# KiCad board ardumower mega shield svn.kicad_pcb (continued)
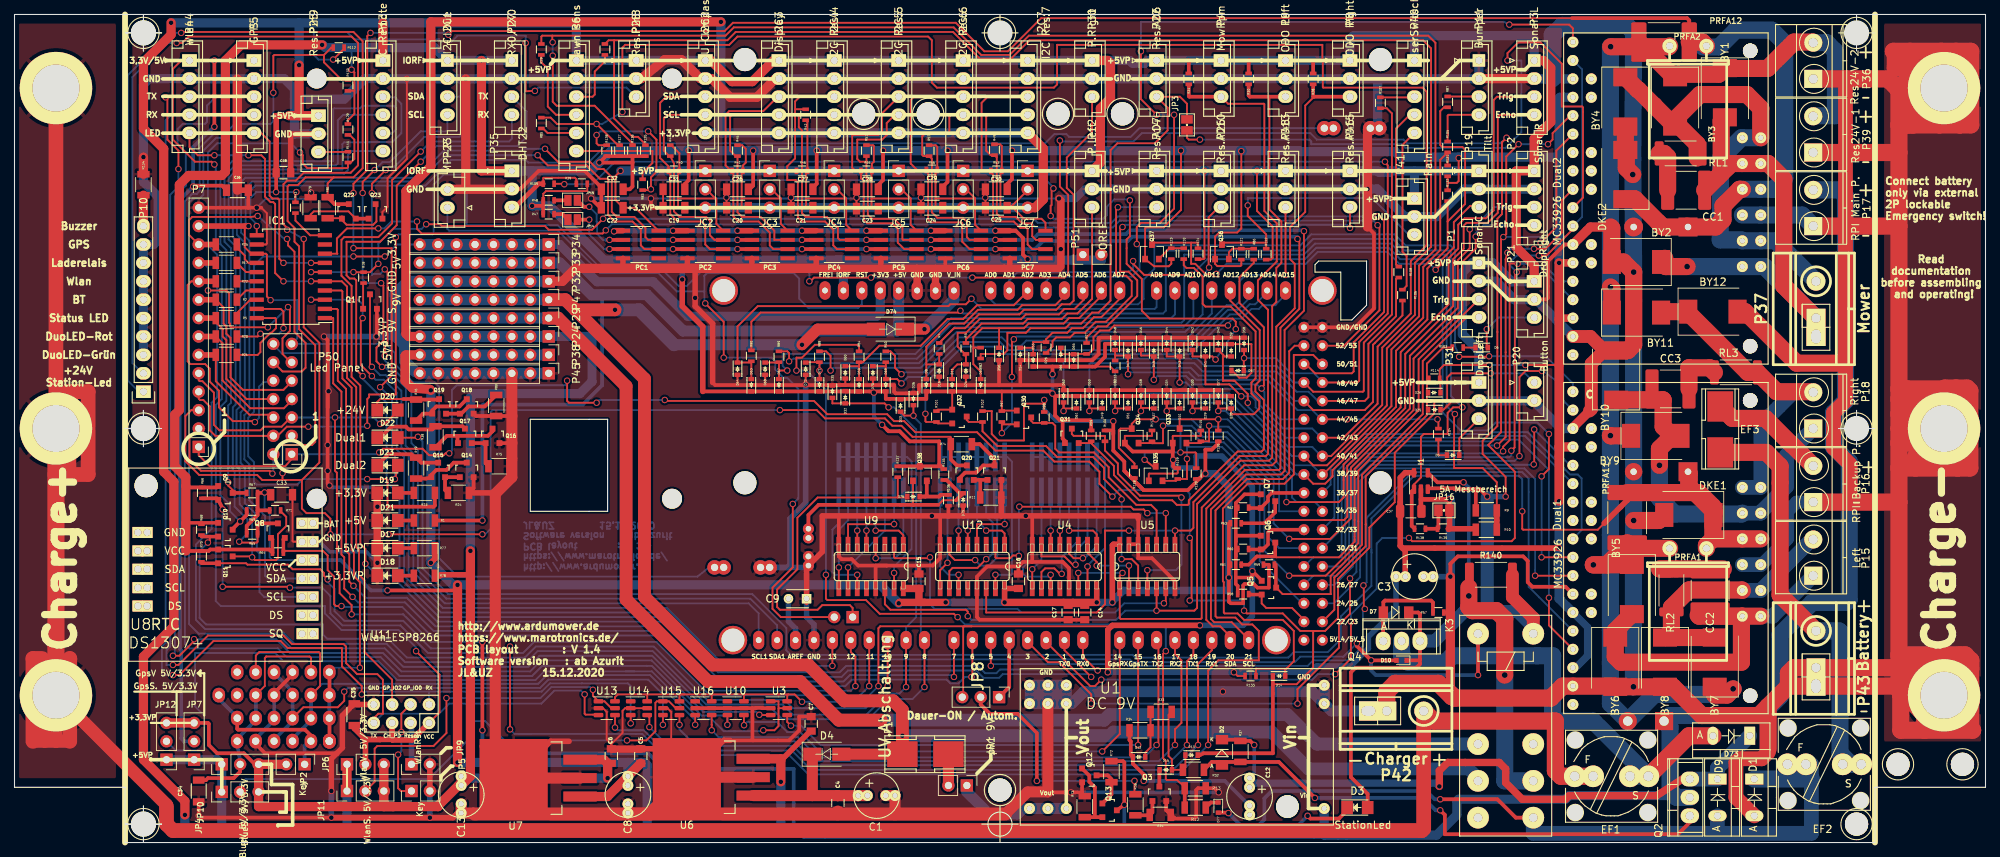
[diagram p0: board, top side]
## Routing (per net, layer and track width the routed paths; a pad name or vN(x,y) marks a point on that pad's centre or on a via; arc(x,y) is an arc through that point) (continued)
/Anschlußstecker/5V_IN_5: length 58.9
  Top w0.254: P19.3 201.76,87.88 200.72,87.88 198.47,85.63 198.47,82.14 196.66,80.33 196.66,79.76 v1(195.96,79.06) ; Q37.3 157.12,82.8 162.24,82.8 ; 162.24,82.8 162.24,79.88 162.81,79.88 164.27,78.42 165.67,78.42 v1(165.74,78.49) ; 162.24,82.8 163.2,82.8 R124.2
  Bottom w0.254: v1(195.96,79.06) 195.14,79.88 190.94,79.88 189.29,81.53 179.71,81.53 178.05,79.88 167.13,79.88 v1(165.74,78.49)
/Anschlußstecker/5V_IN_6: length 77.9
  Top w0.254: 209.55,85.09 P2.4 ; 173.86,39.5 173.99,39.37 182.63,39.37 184.79,41.53 184.79,42.21 184.79,44.54 184.79,51.56 192.91,59.69 192.91,66.8 199.64,73.53 199.64,80.14 201.49,81.98 v1(201.49,83.63) ; 169.35,38.35 170.18,38.35
  Top w0.48: 173.86,39.5 171.32,39.5 170.18,38.35 R61.2 ; 173.85,39.51 Q6.3
  Bottom w0.254: v1(201.49,83.63) 201.49,84.14 202.56,85.22 204.15,85.22 204.15,85.21 P2.4
/Anschlußstecker/5V_IN_7: length 103.5
  Top w0.254: Q33.3 160.66,58.42 v1(165.99,58.42) R116.2 ; 209.55,102.87 209.3,102.87 ; v1(175.39,46.99) 182.63,46.99 183.26,47.62 183.26,50.04 183.26,52.19 191.14,60.06 191.14,67.69 197.74,74.3 197.74,80.64 199.07,81.98 199.07,85.28 199.96,86.17 202.88,86.17 203.96,87.25 203.96,102.49 204.42,102.95 P3.3
  Bottom w0.254: v1(175.39,46.99) 175.39,50.29 167.26,58.42 v1(165.99,58.42)
/Anschlußstecker/5V_IN_8: length 89.4
  Top w0.254: 208.66,100.33 209.55,100.33 ; P3.4 204.84,100.45 204.53,100.14 204.53,86.93 203.14,85.53 200.22,85.53 199.82,85.14 199.82,81.97 198.37,80.52 198.37,74.04 191.77,67.44 191.77,59.98 183.77,51.98 183.77,44.96 183.32,44.51 172.78,44.51
  Top w0.48: Q7.3 173.85,45.58 172.34,44.07 169.35,44.07
/Anschlußstecker/5V_IN_9: length 95.9
  Top w0.254: v1(155.83,52.83) 156.99,51.93 Q35.3 ; v1(160.78,53.85) 162.81,53.85 162.94,53.72 R120.2 ; P1.3 193.61,66.69 193.61,59.67 185.29,51.35 185.29,44.33 185.29,41.32 180.8,36.83 v1(175.77,36.83)
  Bottom w0.254: v1(175.77,36.83) 172.34,40.26 172.34,49.66 166.75,55.25 163.7,55.25 162.05,56.9 160.78,56.9 v1(160.78,53.85) 155.83,53.85 v1(155.83,52.83)
/Anschlußstecker/5V_IN_10: length 58.8
  Top w0.254: 173.99,35.16 Q5.3 ; Q5.3 173.92,35.23 ; Q5.3 174.86,34.29 181.48,34.29 181.48,36.79 185.8,41.11 185.8,44.12 185.8,50.76 194.18,59.14 194.18,66.46 200.23,72.51 P1.4
  Top w0.48: 173.92,38.35 173.92,35.23
/Anschlußstecker/5V_IN_11: length 108.3
  Top w0.254: 208.79,87.63 209.55,87.63 ; R118.2 154.43,52.32 152.27,54.48 152.27,56.9 152.51,57.13 Q34.3 154.05,57.78 154.69,58.42 v1(157.35,58.42) ; v1(175.77,41.91) 181.44,41.91 184.28,44.75 184.28,51.77 192.4,59.9 192.4,67.18 199.01,73.79 199.01,80.39 200.66,82.04 v1(200.66,84.65)
  Bottom w0.254: v1(200.66,84.65) 200.98,84.96 201.3,84.96 202.44,86.11 202.44,86.14 204.01,87.71 P2.3 ; v1(175.77,41.91) 173.61,44.07 173.61,50.29 167.26,56.64 164.08,56.64 162.31,58.42 v1(157.35,58.42)
GND: length 2676.5
  Top w0.254: 145.1,19.11 U1.1 ; 269.75,24 270.51,23.24 270.51,22.61 270.76,22.35 270.76,18.03 269.49,16.76 269.49,16 ; 66.42,11.3 U7.4 ; U7.4 71.12,11.18 ; U7.4 67.42,10.29 ; U7.4 67.45,10.27 ; 110.11,27.81 SHIELD1.GND3 ; 88.13,13.59 U6.4 ; U6.4 89.03,12.69 ; U6.4 90.42,11.3 ; U6.4 90.55,11.17 90.55,18.03 90.04,18.54 U15.2 ; 98.17,88.92 C26.2 ; 98.17,88.92 C20.2 ; 98.17,88.92 v1(98.17,89.03) ; C27.2 v1(107.06,89.03) C21.2 ; 116.1,88.9 C23.2 ; 116.1,88.9 C28.2 ; 116.1,88.9 v1(116.1,89) ; C24.2 v1(124.99,89.03) C29.2 ; 133.88,88.9 C25.2 ; 133.88,88.9 C30.2 ; 133.88,88.9 133.88,89 v1(133.86,89.03) ; 109.09,63.15 v1(109.09,63.25) D72.2 ; U8.2 38.43,41.53 38.33,41.63 C33.2 ; v1(43.31,62.29) 43.18,62.29 ; 34.04,87.63 34.8,86.87 34.8,82.68 34.67,82.55 IC1.12 ; v1(54.1,105.41) 54.1,94.36 51.44,91.69 51.44,87.76 50.73,87.06 Q23.2 ; v1(40.89,89.73) 40.83,89.66 R79.2 ; D25.2 197.04,59.75 198.29,61 P31.2 ; D70.2 118.36,63.15 ; P31.2 201.93,60.58 ; P31.2 201.93,60.45 ; 122.94,62 123.76,62 ; D68.2 103.5,63.15 ; Dual2.7 214.88,82.3 ; Dual2.7 215.01,82.55 ; Dual2.7 215.14,82.55 ; 76.47,13.97 76.47,14.11 ; D64.2 99.69,63.15 ; U3.2 104.77,18.54 ; D24.2 131.19,63.15 ; D60.2 114.55,63.15 ; 82.3,13.59 83.84,15.14 83.84,18.18 84.2,18.54 U14.2 U14.5 ; 82.3,13.59 C6.2 ; 82.3,13.59 81.66,14.22 81.66,18.03 81.15,18.54 U13.2 81.03,18.54 ; C22.2 80.77,87.63 ; D16.2 127.51,63.15 ; C31.2 C19.2
  Top w0.508: 64.38,13.34 U7.4 ; U5.12 154.94,39.24 156.84,39.24 160.02,36.07 U5.7 ; U5.12 154.94,44.7 ; U5.12 U5.13 ; 140.34,38.73 144.53,38.73 145.42,37.85 145.42,35.03 ; 140.34,38.73 139.06,38.73 138.43,38.1 ; 140.34,38.73 U4.8 140.34,45.09 ; 138.43,38.1 134.11,38.1 132.72,36.7 U12.13 132.72,31.11 133.08,30.75 C17.2 C14.2 ; 138.43,38.1 C16.2 ; 95.25,11.56 U6.4 ; U6.4 92.7,9.15 ; U6.4 97.66,13.98 ; U9.13 118.74,38.23 120.27,38.23 ; 186.56,84.96 187.45,84.07 187.45,73.72 184.85,71.12 SHIELD1.GND5 SHIELD1.GND4 ; v1(186.56,90.21) 186.56,90.17 ; v1(87.76,88.9) 87.76,87.88 88.01,87.63 C19.2 ; 80.77,87.63 v1(79.5,88.9) ; 160.66,62.45 D30.2 ; 160.66,62.45 D34.2 D38.2 D52.2 D50.2 D62.2 144.65,63.05 144.55,63.15 138.68,63.15 ; 160.66,62.45 D27.2 ; 114.55,63.15 96.62,63.15 96.27,63.5 ; 114.55,63.15 121.29,63.15 121.29,62.23 121.51,62 124.46,62 124.71,62.26 124.71,63.15 135.76,63.15 ; 114.55,63.15 112.84,63.15 ; 135.76,63.15 138.68,63.15 ; 135.76,63.15 D56.2 ; 138.68,63.15 D54.2 D66.2 148.63,66.59 149.48,67.44 149.48,69.59 149.58,69.68 D48.2 D46.2 D44.2 D42.2 D40.2 D58.2 ; 147.19,8.31 147.21,8.32 147.21,6.92 ; 159.51,3.81 159.89,3.43 159.89,3.3 162.69,3.3 162.94,3.56 162.94,7.24 163.2,7.49 R13.2 ; U12.8 127.64,39.24 126.62,38.23 124.71,38.23 ; U12.8 127.64,40.26 ; U12.8 127.64,45.09 ; 124.71,38.23 120.27,38.23 ; 124.71,38.23 C15.2 ; v1(166.05,6.92) 165.48,7.49 R13.2 ; R13.2 164.26,7.95 ; R24.2 63.31,48.9 Q14.2 ; 68.58,52.96 68.25,52.63 R75.2 ; Q18.2 63.63,58.88 R80.2 68.58,58.88 ; R35.2 158.81,4.44 Q3.2 ; 47.24,19.05 47.22,19.03 C35.2 ; R73.2 147.21,6.77 147.21,6.92 ; 147.21,6.92 v1(145.67,6.92) 142.56,6.92 142.49,6.99 ; 120.27,38.23 116.33,38.23 115.44,39.12 114.05,39.12 113.66,39.5 113.66,45.09 ; C34.2 v1(25.4,3.68) 25.65,3.43 v1(43.69,3.43) ; 44.45,12.32 34.54,12.32 33.27,13.59 33.27,14.1 ; U2.GND 38.33,23.16 35.79,20.62 U2.GND ; v1(49.91,69.85) 49.97,69.91 Q1.2 ; v1(50.04,46.36) 50.02,46.36 ; v1(42.67,69.85) 43.18,69.34 43.18,60.07 ; v1(50.04,38.61) 50.02,38.61 ; 32.23,87.63 v1(33.4,87.63) 34.04,87.63 ; 32.23,87.63 C36.2 ; 32.23,87.63 P7.14 ; v1(43.31,62.29) 43.18,62.17 43.18,60.07 ; 43.18,60.07 v1(43.18,54.86) v1(43.18,51.31) 43.18,49.53 v1(43.43,49.28) ; C7.2 108.2,17.38 108.2,15.49 106.81,14.1 101.85,14.1 ; Dual1.7 215.01,34.29 ; Dual1.7 214.76,34.29 ; Dual1.7 213.87,35.31 209.3,35.31 208.66,35.94 208.66,38.86 208.03,39.5 199.01,39.5 197.99,38.48 v1(197.99,36.7) ; Q14.2 63.31,50.35 ; Q14.2 63.31,50.36 ; 98.68,14.1 101.85,14.1 ; 101.85,14.1 101.75,14.2 101.75,18.52 101.73,18.54 ; D75.2 130.81,45.09 ; Dual2.7 213.74,82.55 211.46,80.26 211.46,75.18 211.24,74.97 P21.2 ; 101.73,18.54 102.16,18.54 102.2,18.59 103.12,18.59 103.16,18.54 U3.2 ; 101.73,18.54 U10.5 U10.2 U16.5 U16.2 ; R11.2 136.07,50.05 ; P35.2 69.76,90.21 72.27,92.72 78.61,92.72 80.92,90.41 C32.2 C22.2 80.93,87.62 ; 128.35,80.64 128.35,79.25 ; C9.1 109.22,33.02 ; Q16.2 68.58,55.13 ; 80.93,79.25 80.92,79.25 ; R136.2 128.78,45.09 ; 197.99,31.75 R57.2 ; U15.2 89.92,18.54
  Top w0.635: C37.2 193.93,45.8 193.93,47.37 ; 193.93,47.37 v1(197.87,47.37) JP16.2 ; 193.93,47.37 I1.2
  Top w0.762: 64.51,13.21 U7.4 ; U7.4 73.91,13.97 76.47,13.97 ; U7.4 68.83,8.9 ; U6.4 97.78,14.1 98.68,14.1 ; U6.4 90.29,11.43 ; U6.4 88.78,12.94 C5.2 ; 84.07,79.25 83.9,79.25 83.9,80.64 ; 41.87,97.79 38.1,97.79 38.08,97.77 C18.2 ; 41.12,41.63 41.02,41.53 ; 154.94,44.7 154.94,45.09 v1(139.45,45.09) 136.07,45.09 ; v1(43.69,3.43) v1(57.28,3.43) 60.45,3.43 60.96,3.94 63.37,3.94 ; U11.GND 47.24,19.05 ; 66.29,48.13 66.17,48.26 R24.2 ; 136.07,45.09 v1(126.49,45.09) 111.38,45.09 111.38,40.13 C2.2 109.22,37.97 C9.1 ; 136.07,45.09 R11.2 ; 136.07,50.05 Q21.2 ; 93.85,79.25 v1(93.85,75.18) 93.85,74.04 96.27,71.63 96.27,63.5 ; C36.2 30.73,90.04 ; R10.2 201.37,43.31 R139.2 197.87,43.45 JP16.2 ; v1(43.69,7.11) 43.69,11.56 45.21,13.08 45.21,17.53 46.84,19.15 C35.2 ; JP9.2 JP5.2 ; 92.79,80.64 92.79,79.25 ; 110.57,80.64 110.57,79.25 ; 101.68,80.64 101.68,79.25 ; U8.2 U8.2 ; 137.24,80.64 137.24,79.25 ; 119.46,80.64 119.46,79.25
  Top w1.016: 110.57,79.25 124.46,79.25 ; 127,79.25 136.4,79.25 ; 127,79.25 124.46,79.25 ; 127,79.25 SHIELD1.GND2 ; 137.24,79.25 136.4,79.25 ; 136.4,79.25 144.02,79.25 144.27,79.5 v1(144.27,81.91) 144.27,88.65 v1(144.02,88.9) ; 124.46,79.25 SHIELD1.GND1 ; 50.02,36.34 D18.1 D17.1 D21.1 D19.1 ; C5.2 86.31,12.89 82.34,12.89 C6.2
  Top w1.27: 110.57,79.25 87.38,79.25 ; 62.23,90.17 59.69,90.17 ; 62.23,90.17 68.58,90.17 ; 62.23,90.17 v1(62.23,105.41) ; 264.41,25.91 262.64,24.13 260.1,24.13 ; B14.1 268.22,22.48 268.22,25.91 ; 269.75,15.75 270,15.49 ; 87.38,79.25 84.07,79.25 ; 87.38,79.25 82.17,79.25 ; 217.18,59.57 214.88,57.28 Dual1.16 ; I2C3.2 104.9,105.41 102.36,102.87 98.68,102.87 96.1,105.45 I2C2.2 94.58,105.45 91.95,108.08 89.66,108.08 86.4,105.45 P28.2 86.45,105.45 ; 186.56,84.96 186.56,98.43 186.69,98.55 ; 41.87,97.79 P25.2 ; 30.73,90.04 v1(30.73,105.41) ; 197.99,20.57 v1(197.99,36.7) ; 66.54,6.6 U7.4 ; 82.17,79.25 80.92,79.25 ; 82.17,79.25 77.34,79.25 75.56,77.47 P32.1 ; 81.79,3.94 81.91,4.06 C8.2 C8.2 ; R134.2 v1(17.78,94.62) ; 220.09,80.29 BY2.2 ; P11.2 P3.2 ; C4.2 113.54,3.94 ; Dual2.7 217.3,84.96 220.08,84.96
  Top w1.524: 70.1,8.89 U7.4 ; U7.4 66.29,11.42 66.29,48.13 68.58,50.42 P45.3 ; U7.4 68.83,9.91 ; U7.4 U7.2 ; 136.65,3.94 139.7,6.99 142.49,6.99 U1.1 142.5,19.17 ; 63.37,3.94 63.25,4.06 C13.2 C13.2 ; C1.2 C1.2 121.41,3.94 ; U6.2 U6.4 91.57,9.02
  Top w1.778: U6.4 87.62,3.94 84.84,3.94 ; 136.65,3.94 84.84,3.94 ; 63.37,3.94 84.84,3.94 ; Dual2.2 217.3,69.85 219.23,67.92 217.42,66.11 217.42,59.82 217.18,59.57
  Top w2.032: D1.2 237.36,6.22 237.36,11.05 237.87,11.56 240.92,11.56 241.81,12.45 241.81,12.95 ; 269.75,24 269.75,15.75 ; 252.48,105.41 252.48,60.96 250.82,59.31 250.82,54.48 253.11,52.2 253.11,46.99
  Top w2.358: 259.33,21.59 259.84,22.1 259.84,24.13 ; 259.33,21.59 260.6,20.32 B14.1 ; 259.33,21.59 P43.1 ; 259.84,24.13 259.84,25.91 ; 259.84,24.13 259.33,24.13 ; 259.84,103.89 260.1,104.14 B12.1 ; 259.84,103.89 259.72,104.01 ; 259.84,103.89 259.84,99.06 ; B12.1 265.94,104.01 259.72,104.01 ; B12.1 260.99,99.06 261.81,99.06 ; B12.1 267.72,105.79 267.72,109.22 ; B12.1 268.22,101.98 268.22,99.06 ; B12.1 265.43,103.5 265.43,99.06 ; B12.1 263.27,106.93 259.33,106.93 259.33,108.97 259.08,109.22 261.37,109.22 ; B12.1 265.68,104.52 265.68,109.22 ; B12.1 266.06,101.22 268.22,99.06 ; 259.84,95.25 259.84,99.06 ; 259.84,95.25 P39.1 ; 259.84,95.25 259.84,85.09 ; 259.84,99.06 260.86,99.06 ; 259.72,104.01 258.32,105.41 P36.1 ; 259.72,104.01 261.81,101.92 261.81,99.06 ; 259.72,104.01 261.37,105.66 261.37,109.22 ; 259.84,46.99 259.84,51.69 ; 259.84,46.99 259.84,25.91 ; 259.84,46.99 P16.1 ; 259.84,51.69 259.84,55.12 ; 259.84,51.69 262.13,51.69 ; 259.84,57.15 259.84,59.18 ; 259.84,57.15 259.84,55.12 ; 259.84,57.15 B13.1 ; 259.84,59.18 259.84,61.21 ; 259.84,59.18 264.03,59.18 B13.1 ; 259.84,25.91 266.06,25.91 ; 266.06,62.61 266.19,62.74 267.72,62.74 ; 266.06,62.61 260.99,62.61 ; 266.06,62.61 B13.1 ; 259.84,62.61 259.84,85.09 ; 259.84,62.61 260.99,62.61 ; 259.84,62.61 259.84,61.21 ; 259.84,85.09 P17.1 ; 259.84,55.12 264.03,55.12 B13.1 ; 265.68,51.69 262.13,51.69 ; 265.68,51.69 266.06,51.69 B13.1 ; 265.68,51.69 267.97,51.69 ; 262.13,51.69 262.13,53.21 B13.1 ; 267.72,62.74 269.24,62.74 269.62,62.36 269.62,51.69 267.97,51.69 ; 267.72,62.74 267.72,58.8 B13.1 ; B13.1 267.97,55.25 267.97,51.69 ; B13.1 262,61.21 259.84,61.21 ; B13.1 266.06,57.53 260.99,62.61 ; 259.33,24.13 260.1,24.13 ; 259.33,24.13 P43.1 ; B14.1 262.25,24.13 260.1,24.13 ; B14.1 269.75,24 269.75,25.15 ; B14.1 264.03,22.35 260.1,22.35 ; B14.1 263.4,17.65 ; 269.75,25.15 268.99,25.91 266.06,25.91 ; 269.75,25.15 269.75,15.75 ; 260.1,24.13 260.1,22.35 ; 263.4,15.49 260.1,15.49 260.1,20.32 ; 263.4,15.49 270,15.49 266.06,19.43 266.06,25.91 ; 263.4,15.49 263.4,17.65 ; 260.1,22.35 260.1,20.32 ; 260.1,20.32 260.73,20.32 263.4,17.65 ; 267.72,109.22 269.75,109.22 269.75,99.06 268.22,99.06 ; 267.72,109.22 265.68,109.22 ; 260.86,99.06 265.43,99.06 ; 260.86,99.06 261.81,99.06 ; 265.43,99.06 268.22,99.06 ; 265.68,109.22 261.37,109.22 ; 198.44,20.13 198.63,19.94 211.84,19.94 213.49,21.59 Dual1.2 220.63,21.59 BY6.2 v2(223.24,21.49) BY8.2 228.7,21.49 232.66,17.53 240.54,17.53 241.81,18.8 ; 198.44,20.13 197.99,20.57 ; 198.44,20.13 198.18,20.13 196.34,21.97 190.37,21.97 189.23,20.83 P42.1 ; 244.6,21.59 P43.1 ; 244.6,21.59 241.81,18.8 ; 244.6,21.59 244.6,23.37 245.36,24.13 P43.1 ; P43.1 P43.1 ; 241.81,18.8 241.81,12.95 ; 252.48,66.17 245.75,66.17 238.63,73.28 BY12.2 ; v2(223.14,92.2) 222.25,93.09 222.25,95.6 ; v2(223.27,44.45) 226.72,44.45 DKE1.2 ; 219.23,67.92 BY10.2 222.48,67.92 223.27,68.71 v2(223.27,78.74) 221.87,80.14 BY2.2 220.25,84.8 220.08,84.96 ; DKE2.2 BY4.2
  Bottom w0.254: v1(98.17,89.03) 98.15,89 98.15,88.92 ; 98.15,88.92 107.04,88.9 ; 98.15,88.92 96.65,88.9 v1(87.76,88.9) ; 107.04,88.9 107.04,89 v1(107.06,89.03) ; 107.04,88.9 116.08,88.9 ; 116.08,88.9 116.08,88.98 v1(116.1,89) ; 116.08,88.9 124.97,88.9 ; 124.97,88.9 124.97,89 v1(124.99,89.03) ; 124.97,88.9 133.86,88.9 ; 133.86,88.9 v1(133.86,89.03) ; 133.86,88.9 v1(144.02,88.9) ; v1(43.31,62.29) 43.43,62.42 43.43,66.8 42.67,67.56 36.83,67.56 35.69,68.71 P50.14 35.69,68.77 ; v1(40.89,89.73) 40,88.84 34.61,88.84 v1(33.4,87.63)
  Bottom w0.508: v1(79.5,88.9) v1(87.76,88.9) ; 33.27,14.35 35.81,16.89 35.81,20.45 ; v1(50.04,38.61) 48.51,40.13 43.43,40.13 42.04,41.53 U8.2 ; v1(50.04,46.36) 50.04,48.39 49.4,49.02 43.81,49.02 43.56,49.28 v1(43.43,49.28) ; SHIELD1.GND5 181.1,71.12 ; v1(145.67,6.92) v1(166.05,6.92) ; Dual2.16 214.88,105.66
  Bottom w0.762: SHIELD1.GND3 110.24,30.1 109.22,31.11 C9.1 ; v1(43.69,7.11) v1(43.69,3.43) ; v1(42.67,69.85) v1(49.91,69.85) ; SP2.1 106.55,37.97 106.93,38.35 106.93,44.7 109.09,46.86 v1(109.09,63.25) ; SP2.1 109.22,37.97 C2.2 C2.2 ; SP2.1 SP2.1 ; JP5.2 v1(57.28,3.43) ; v1(197.99,36.7) C3.2 C3.2
  Bottom w1.016: P12.2 147.61,90.21 146.3,88.9 v1(144.02,88.9) ; v1(49.91,69.85) 52.45,69.85 ; 39.52,41.53 41.02,41.53
  Bottom w1.27: 157.48,90.17 166.37,90.17 ; 201.93,60.96 209.55,60.96 ; P44.2 18.58,105.45 17.78,104.65 v1(17.78,94.62) 17.78,91.19 19.81,89.15 19.81,83.19 19.18,82.55 P10.9 P10.8 P10.7 P10.6 P10.5 P10.4 P10.3 ; 24.13,105.41 v1(30.73,105.41) 33.02,105.41 ; P25.2 38.65,97.83 38.61,97.79 38.61,102.62 ; 187.96,105.45 P40.2 ; 187.96,105.45 187.96,98.56 187.95,98.55 186.69,98.55 ; 187.96,105.45 P8.2 ; 38.61,102.62 45.47,102.62 48.3,105.45 P13.2 ; 38.61,102.62 38.61,104.01 37.17,105.45 P5.2 ; P19.2 199.94,90.21 196.13,86.4 P41.2 191.73,86.4 187.92,90.21 v1(186.56,90.21) P46.2 P48.2 P26.2 ; 50.8,105.41 v1(54.1,105.41) v1(62.23,105.41) 85.72,105.41 ; P9.2 P4.2 ; U1.1 U1.1 ; Dual1.16 213.23,57.15 209.55,60.83 P20.2 ; 201.93,90.17 209.55,90.17 ; I2C7.2 I2C6.2 I2C5.2 ; 167.26,105.41 139.7,105.41 ; 201.93,77.47 204.28,77.47 206.82,74.93 209.8,74.93 Dual2.2 ; 121.92,105.41 105.41,105.41 ; v1(197.87,47.37) 197.99,47.24 v1(197.99,36.7) ; 193.04,105.41 201.93,105.41 P11.1 ; 214.88,105.54 Dual2.16 209.55,105.41 ; 175.26,105.41 184.15,105.41 ; P14.2 P12.2
  Bottom w1.524: 240.8,86.61 Dual2.21 ; U1.4 181.61,18.16 P42.1 P42.1 ; U1.4 178.94,20.83 v1(166.62,20.83) 147.45,20.83 145.8,19.18 U1.1 ; U1.4 U1.4 ; P32.1 P32.2 P32.3 P32.4 P32.5 P32.6 P32.7 P32.8 54.23,77.47 52.45,75.69 52.45,69.85 52.58,69.85 53.78,68.64 53.78,66.48 55.27,64.99 P45.8 P45.7 P45.6 P45.5 P45.4 P45.3 P45.2 P45.1 ; U1.1 U1.1 U1.1 ; U1.1 U1.1 ; U1.1 U1.1 ; U1.1 U1.1 ; U1.1 U1.1 ; U1.1 U1.1 ; U1.1 U1.1
  Bottom w1.778: P16.1 245.75,46.99 244.48,45.72 244.48,41.91 240.92,38.35 Dual1.21
  Bottom w2.032: Dual1.21 Dual1.21
  Bottom w2.358: 223.24,38.35 223.24,21.49 v2(223.24,21.49) ; 212.04,105.41 212.04,111.51 212.14,111.51 213.43,112.79 222.34,112.79 223.27,111.86 223.14,94.36 v2(223.27,78.74) v2(223.27,44.45) 223.27,39.24 223.24,39.21 223.24,37.97 ; P17.1 246.51,86.61 Dual2.21 Dual2.21
/Anschlußstecker/Ausgang1: length 42.3
  Top w0.254: Q32.3 131.3,58.33 131.58,58.05 R102.2 133.48,56.77 135.51,54.74 142.24,54.74 143.76,53.21 148.72,53.21 150.24,51.69 150.24,50.17 152.65,47.75 v1(152.65,47.37) ; v1(152.65,39.12) 154.05,39.12 154.94,38.23 U5.3
  Bottom w0.254: v1(152.65,39.12) v1(152.65,47.37)
/Anschlußstecker/Ausgang2: length 38.3
  Top w0.254: Q31.3 145.8,56.39 146.05,56.13 150.37,56.13 R100.2 150.37,54.1 152.15,52.32 152.15,50.93 155.19,47.88 160.66,47.88 v1(160.91,47.62) ; U5.4 v1(156.21,37.59)
  Bottom w0.254: v1(156.21,37.59) 160.15,37.59 160.91,38.35 v1(160.91,47.62)
/Anschlußstecker/Ausgang3: length 30.2
  Top w0.254: Q30.3 140.19,58.21 140.47,57.92 R98.2 143.12,57.92 143.51,57.53 143.51,54.36 144.02,53.85 148.84,53.85 150.88,51.82 150.88,50.42 154.69,46.61 156.72,46.61 157.48,45.85 U5.10
/Anschlußstecker/Eingang1: length 113.8
  Top w0.254: v1(152.78,37.21) 152.4,36.83 U5.1 152.4,30.99 152.53,30.86 163.58,30.86 163.7,30.99 163.7,46.23 169.55,52.07 173.42,52.07 173.99,52.64 173.99,71.2 176.53,73.74 176.53,79.88 175.9,80.52 175.9,84.96 177.98,87.05 177.98,101.73 179.2,102.95 ; v1(146.69,37.21) U4.14
  Top w0.508: 179.07,104.46 179.07,102.95 P8.3
  Bottom w0.254: v1(146.69,37.21) v1(152.78,37.21)
/Anschlußstecker/Eingang2: length 135
  Top w0.254: U9.14 120.02,32.89 120.78,32.13 131.19,32.13 131.45,31.88 v1(131.45,31.24) ; 173.04,102.95 173.04,87.38 174.69,85.72 174.69,80.01 173.99,79.31 173.99,74.61 173.42,74.04 173.42,53.15 172.97,52.7 169.04,52.7 163.07,46.74 163.07,32.39 162.69,32 v1(157.48,32) U5.5
  Top w0.508: P9.3 170.35,102.95 170.18,103.12 170.18,104.46
  Bottom w0.254: v1(131.45,31.24) 131.95,30.73 151.89,30.73 153.16,32 v1(157.48,32)
/Anschlußstecker/Eingang3: length 124.7
  Top w0.254: 160.02,41.78 U5.8 v1(160.02,43.05) 162.18,43.05 162.56,43.43 162.56,46.99 168.91,53.34 172.53,53.34 172.85,53.66 172.85,73.53 171.45,74.93 171.45,77.6 174.05,80.2 174.05,85.47 172.34,87.19 172.34,101.92 172.28,101.98 167.34,101.98 P4.3 ; U12.14 133.99,31.75 149.23,31.75 150.37,32.89 150.37,43.05 v1(153.67,43.05)
  Top w0.508: P4.3 162.01,102.95 161.93,103.03 161.93,104.46
  Bottom w0.254: v1(153.67,43.05) v1(160.02,43.05)
/Batterieeingang 24V: length 90.3
  Top w0.508: v1(170.94,13.46) 170.38,14.02 R37.1 168.86,14.2 D2.1 ; C12.1 C12.1
  Top w1.016: v1(196.47,7.75) 196.47,9.91 197.61,11.05 204.72,11.05 205.61,10.16 205.61,8.25 207.9,5.97 213.87,5.97 214.38,6.48 226.44,6.48 230,8.76 Q2.3
  Bottom w0.508: C12.1 170.94,9.53 v1(170.94,13.46)
  Bottom w1.016: v1(196.47,7.75) 196.02,8.19 170.88,8.19 C12.1
  Bottom w2.032: D73.1 234.82,10.29 D9.1 Q2.3
/Eingang: length 64.9
  Top w2.358: EF1.2 230.89,14.73 D73.2
  Bottom w1.778: 212.09,25.78 210.06,25.78
  Bottom w2.358: 209.93,25.78 212.09,25.78 212.09,16.76 217.68,16.76 EF1.2 EF1.2 ; 209.93,25.78 198.25,25.78 197.36,24.89 192.15,24.89 191.26,25.78 Q4.2 ; 209.93,25.78 210.06,25.78
/Motortreiber/D1_M1_IN1: length 52.7
  Top w0.508: Dual1.19 238.12,31.24
  Top w2.358: Dual1.19 232.28,31.24 232.16,31.37 ; Dual1.19 238.12,31.11 238.12,24.89 221.49,24.89 220.73,25.65 BY6.1 220.73,29.24 BY5.2 ; Dual1.19 234.81,31.24 ; Dual1.19 Dual1.19
  Bottom w2.032: P15.1 242.44,31.24 Dual1.19
/Motortreiber/D1_M1_IN1_1: length 52
  Top w2.358: v2(226.82,52.07) 226.82,54.36 228.6,56.13 ; 228.6,56.13 227.33,57.4 227.33,61.08 227.29,61.12 BY10.1 ; 228.6,56.13 BY9.2
  Bottom w2.032: P18.1 244.35,53.47 244.35,49.15 240.79,45.59 Dual1.23 Dual1.23
  Bottom w2.358: Dual1.23 238.12,45.34 228.98,45.34 226.82,47.5 v2(226.82,52.07)
/Motortreiber/D1_M1_IN2: length 46
  Top w2.358: BY11.2 227.17,73.28 BY12.1 230.79,73.12 239.01,64.9 RL3.2 242.99,62.23 247.95,62.23 P18.2
  Bottom w2.032: 248.03,62.23 245.26,62.14 240.79,57.67 Dual1.24 Dual1.24
/Motortreiber/D1_M1_IN2_1: length 34.9
  Top w2.358: BY7.2 BY8.1 228.47,29.18 RL2.2 228.47,32.45 230.89,34.86 238.19,34.86 Dual1.20
  Bottom w2.032: Dual1.20 Dual1.20 247.82,41.83 P15.2
/Motortreiber/D2_M2_IN1: length 70.9
  Top w2.358: BY1.2 235.33,99.6 235.33,92.32 234.82,91.81 ; P37.1 243.97,76.84 243.97,91.57 241.81,93.73 Dual2.23 Dual2.23 236.74,93.73 234.82,91.81 ; 234.82,91.81 CC1.1 ; 227.56,80.64 BY2.1 227.68,79.5 v2(230.63,79.5)
  Bottom w2.358: P37.1 P37.1 241.3,79.5 Dual2.19 Dual2.19 v2(230.63,79.5)
/Motortreiber/D2_M2_IN2: length 72.1
  Top w2.358: 226.03,101.73 226.09,101.73 ; 226.09,101.73 223.9,103.91 223.84,103.91 BY4.1 ; 226.09,101.73 BY3.2 ; BY3.2 229.59,98.84 232.03,96.39 232.03,94.49 ; BY3.2 228.98,99.82 232.41,103.25 238.89,103.25 240.79,101.35 Dual2.24
  Bottom w1.778: 241.05,83.06 Dual2.20 239.01,83.06
  Bottom w2.032: 241.05,83.06 Dual2.20
  Bottom w2.358: P37.2 242.82,83.06 Dual2.20 Dual2.20 238.12,83.19 235.2,83.19 235.2,86.34 235.24,86.38 235.24,94.4 238.12,97.28 Dual2.24 Dual2.24
/Vout-: length 83.6
  Top w0.508: v1(199.8,49.73) 196.2,49.73 194.88,51.05
  Top w2.358: 200.53,35.18 200.53,32.51 201.04,32 204.34,32 205.49,30.86 v2(205.49,23.11)
  Bottom w0.254: 200.53,47.75 200.53,49 ; 200.53,47.75 200.53,35.18 ; 200.53,47.75 v2(200.53,34.04)
  Bottom w0.508: v1(199.8,49.73) 200.53,49 v2(200.53,34.04)
  Bottom w2.358: v2(205.49,23.11) 205.49,8.51 K3.12
Charg_Pin_+: length 416.4
  Top w1.778: 4.19,13.97 2.54,13.97 ; 4.19,13.97 5.71,13.97 ; 4.19,13.97 4.19,25.02 3.81,25.4 ; 5.71,13.97 7.62,13.97 ; 5.71,13.97 B11.1 5.84,20.32 20.96,5.21 20.96,4.95 ; B10.1 7.37,58.8 7.37,62.23
  Top w2.032: 2.54,13.97 2.54,25.4 3.81,25.4 ; 7.62,102.23 B9.1 B10.1 7.49,55.37 7.49,50.8 ; 20.96,4.95 20.96,2.54 21.84,1.65 194.06,1.65 194.31,1.91 P42.2 ; 7.37,62.23 10.16,62.23 10.16,50.8 7.49,50.8 ; 7.49,50.8 5.71,50.8 ; B11.1 5.71,23.5 7.62,25.4 7.62,13.97
  Top w2.358: B10.1 B11.1 ; P42.2 195.71,16.76 212.47,16.76 212.47,9.91 213.23,9.14 EF1.1 EF1.1
DHT22: length 11.9
  Top w0.254: R109.1 72.91,91.71 72.97,91.76 77.27,91.76 77.47,91.57 77.47,90.94 R39.2 77.34,90.93
  Top w0.635: R109.1 72.26,90.93 69.04,87.71 P35.3
DropLeft: length 6.5
  Top w0.254: 201.6,58.5 P31.3 199.22,55.79 D5.1
DropRight: length 9.8
  Top w0.254: 202.93,68.33 203.01,68.4 v1(203.01,70.85)
  Bottom w0.254: v1(203.01,70.85) 204.63,72.47 P21.3
Dual1: length 261.4
  Top w0.254: v1(55.63,56.01) 55.5,55.88 D22.2 52.85,56.16 ; 234.19,43.69 233.68,43.18 233.3,43.18 ; 221.49,46.36 218.31,43.18 208.03,43.18 207.9,43.31 v1(207.9,45.72) ; PRFA1.1 233.3,40.77
  Top w0.762: PRFA11.1 222.38,47.24 219.2,44.07
  Top w2.358: 234.19,41.91 233.3,41.02 PRFA1.1 ; 234.19,41.91 Dual1.22 Dual1.22 ; 234.19,41.91 234.19,46.38 232.27,48.31 PRFA11.1 ; 230.89,49.12 230.89,51.05 C10.1 ; 230.89,49.12 234.41,45.59 ; 230.89,49.12 230.89,50.89 230.87,50.91
  Bottom w0.254: v1(207.9,45.72) 207.9,50.17 207.44,50.62 192.99,50.62 187.11,44.74 187.11,40.04 ; 187.11,40.04 187.11,35.43 182.9,31.22 182.9,28.08 181.1,26.29 176.4,26.29 175.64,25.53 154.56,25.53 154.18,25.91 107.06,25.91 106.43,26.54 106.43,29.59 101.73,34.29 59.82,34.29 56.26,37.85 56.26,55.37 v1(55.63,56.01) ; 187.11,40.04 187.11,40.43
  Bottom w1.778: Dual1.22 238,41.91
Dual2: length 329
  Top w0.254: v1(59.82,111.51) 60.33,112.01 97.92,112.01 99.06,113.16 129.79,113.16 133.73,109.22 136.99,109.22 141.57,113.79 215.14,113.79 215.21,113.72 ; v1(49.09,111.76) 48.64,111.32 48.64,92.84 46.74,90.93 v1(46.74,89.66) ; D23.2 52.96,51.97 v1(52.45,50.17) ; v1(50.42,62.86) 52.01,64.45 52.01,82.04 v1(46.74,82.04) ; PRFA2.1 233.3,111
  Top w0.508: 230.93,113.24 PRFA12.1 230.93,113.49 230.63,113.79 214.76,113.79
  Top w2.358: PRFA12.1 232.76,110.49 PRFA2.1 ; C11.1 230.63,85.09 ; C11.1 234.57,84.96 235.59,85.98 235.59,87.88 237.87,90.17 Dual2.22 ; C11.1 227.3,84.96 223.46,88.8 222.25,88.8
  Bottom w0.254: 243.08,90.81 242.44,90.17 Dual2.22 ; v1(59.82,111.51) 59.56,111.76 v1(49.09,111.76) ; v1(50.42,62.86) 52.07,61.21 52.07,53.85 52.45,53.47 v1(52.45,50.17) ; v1(46.74,82.04) v1(46.74,89.66)
  Bottom w2.358: 232.79,109.82 235.05,109.82 237.36,112.14 242.32,112.14 244.09,110.36 244.09,91.69 242.57,90.17 Dual2.22 ; Dual2.22 240.54,90.17
DuoLED-Rot: length 136.2
  Top w0.254: v1(129.54,22.86) SHIELD1.7 ; v1(46.74,35.43) 46.16,36 46.16,39.81 45.72,40.26 45.72,62.61 44.58,63.75 44.58,73.53 44.45,73.66 42.17,73.66 43.05,73.66
  Bottom w0.254: v1(129.54,22.86) 129.29,23.11 115.19,23.11 114.3,22.22 96.52,22.22 88.9,29.84 58.04,29.84 54.1,33.78 48.39,33.78 v1(46.74,35.43)
DuoLED_Grün: length 139.4
  Top w0.254: IC1.1 42.17,72.39 43.94,72.39 43.94,63.37 45.08,62.23 45.08,39.75 45.47,39.37 45.47,35.05 v1(46.61,33.91) ; v1(131.95,22.86) 132.08,22.99 SHIELD1.6 132.08,27.05
  Bottom w0.254: v1(131.95,22.86) 131.06,22.86 130.18,21.97 129.03,21.97 128.52,22.48 115.44,22.48 114.55,21.59 96.27,21.59 88.65,29.21 57.78,29.21 53.85,33.15 47.37,33.15 v1(46.61,33.91)
GPS-LED: length 26.1
  Top w0.254: P5.5 34,97.95 35.18,96.77 35.18,89.28 35.56,88.9 36.32,88.9 36.51,88.71 36.51,80.58 v1(37.08,80.01) ; 42.17,80.01 v1(40.89,80.01)
  Bottom w0.254: v1(40.89,80.01) 37.34,80.01 37.08,80.26 v1(37.08,80.01)
